# Altium PCB STM32最小系统.PcbDoc (part 3 of 4) (continued)
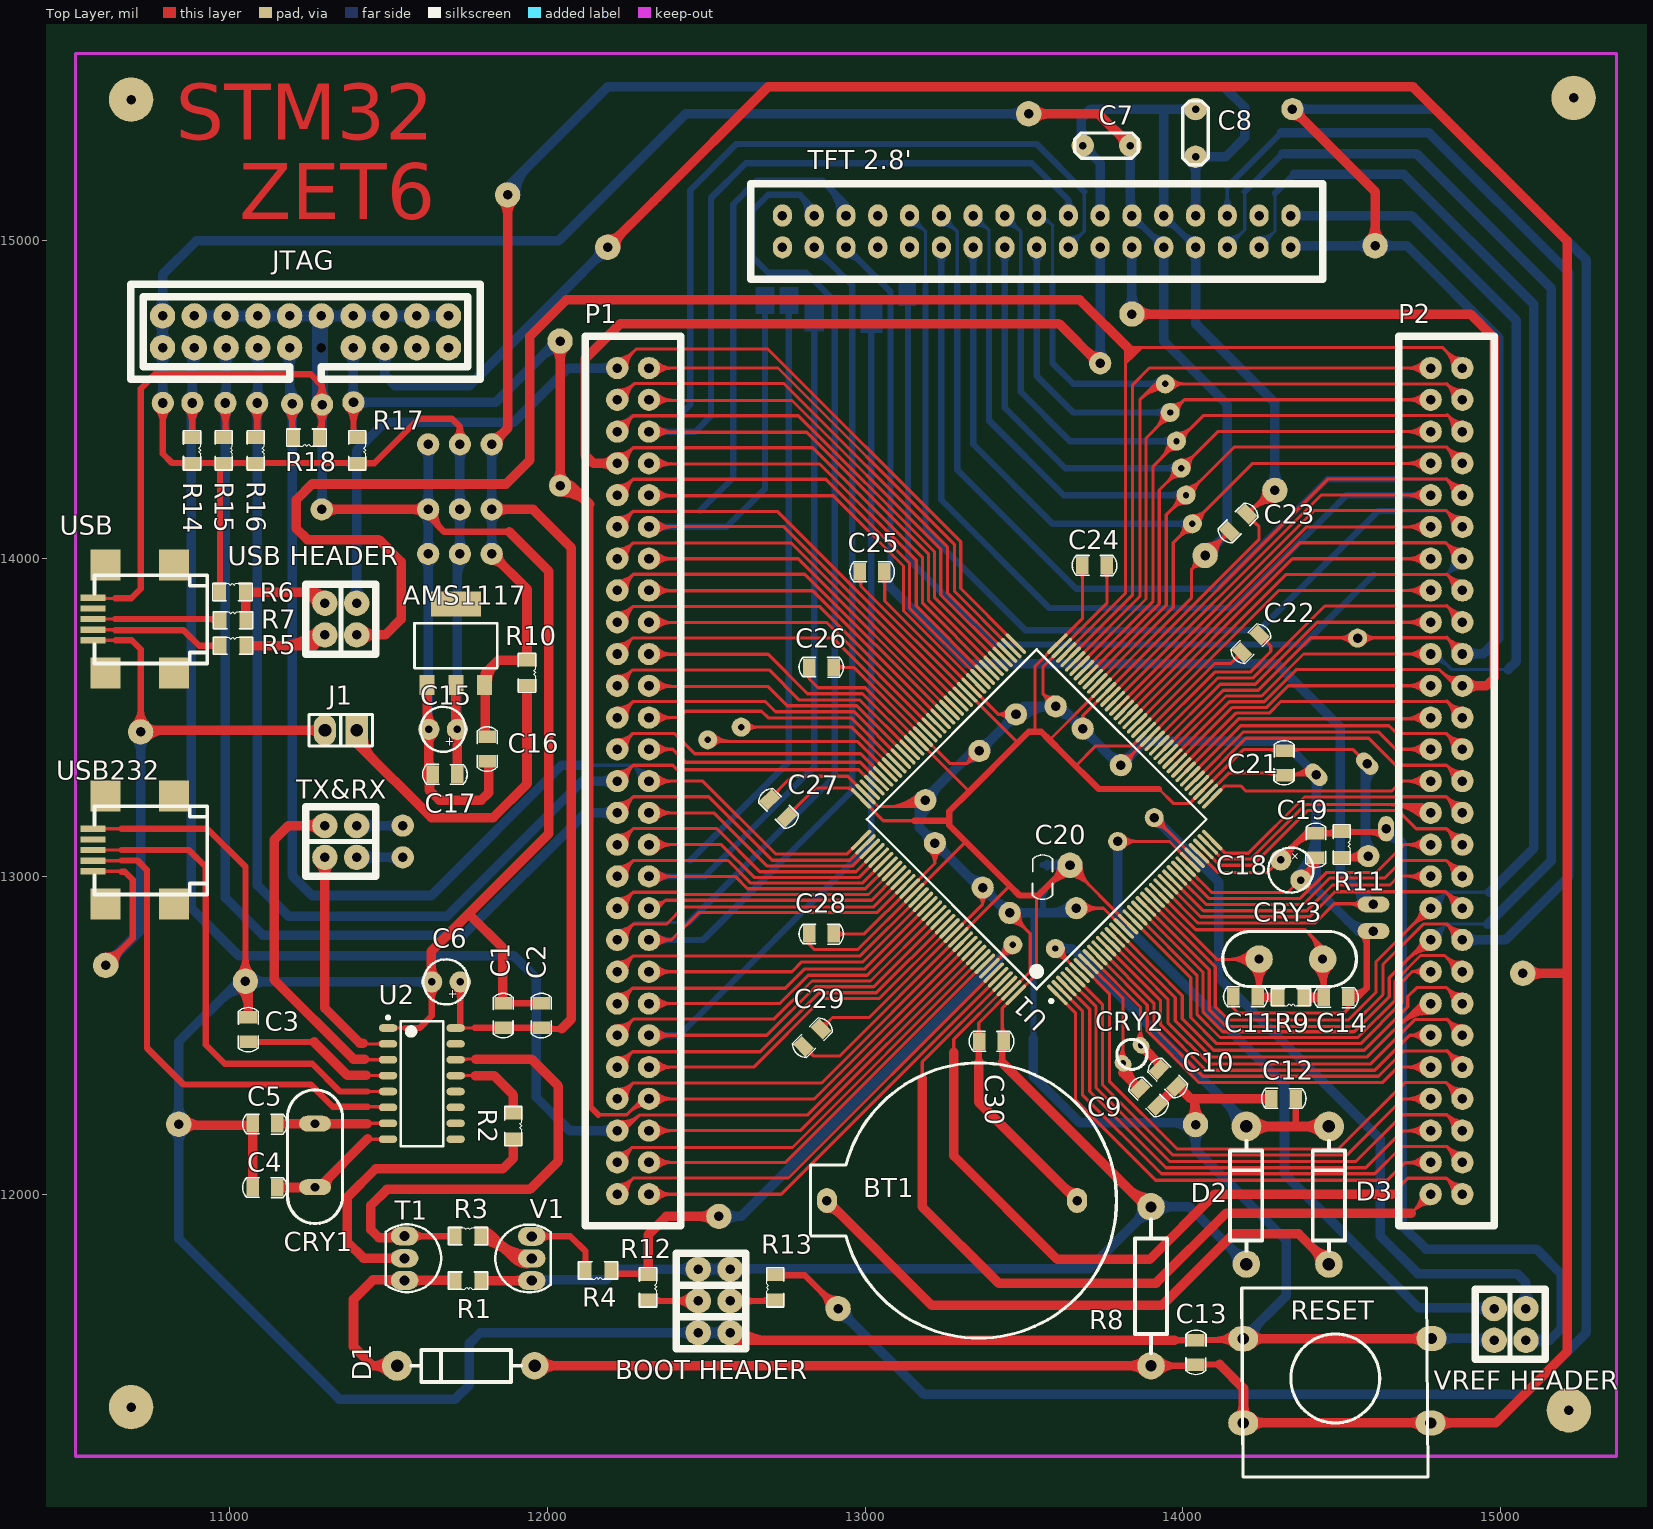
[diagram p0: Top Layer view]
## Nets (pads, with @x,y where several pads share a name; then routed paths per layer and width w, separated by ;. In a path a pad name is that pad's centre, name@x,y a point inside that pad or via, vN(x,y) a via of type N, cw(c..) or ccw(c..) an arc to the next point about the centre after c; other vN are vias at no path point) (continued)
  Bottom Layer w10: 14341,15101 14362,15080 ; P2.36@14798,13700 14847,13651 15024,13651 ; P2.36@14780.62,13690.02 cw(c14784.16,13632.89) 14824.64,13673.36 ccw(c14784.16,13632.89) P2.36@14780.62,13690.02 ; P2.36@14781.24,13680.04 cw(c14785.99,13603.36) 14840.32,13657.68 ccw(c14785.99,13603.36) P2.36@14781.24,13680.04 ; P2.36@14810,13700 ccw(c14838.97,13700) 14818.49,13679.51 cw(c14838.97,13700) P2.36@14810,13700
  Bottom Layer w30: 14362,15080 14720,15080 15050,14750 15050,13677 15024,13651 ; 14376.21,15080 cw(c14376.21,15116.21) 14350.61,15090.61 ccw(c14376.21,15116.21) 14376.21,15080 ; 14376.21,15080 ccw(c14376.21,15043.79) 14350.61,15069.39 cw(c14376.21,15043.79) 14376.21,15080
PB5: P1.5 U1.135 | length 1637.5
  Top Layer w10: P1.5@12320,12200 12796.63,12200 U1.135@13349.3,12752.67 ; 12368.28,12200 cw(c12368.28,12248.28) 12334.14,12214.14 ccw(c12368.28,12248.28) 12368.28,12200 ; 12368.28,12200 ccw(c12368.28,12151.72) 12334.14,12185.86 cw(c12368.28,12151.72) 12368.28,12200 ; 12392.43,12200 cw(c12392.43,12272.43) 12341.21,12221.21 ccw(c12392.43,12272.43) 12392.43,12200 ; 12392.43,12200 ccw(c12392.43,12127.57) 12341.21,12178.79 cw(c12392.43,12127.57) 12392.43,12200
PB6: P1.4 U1.136 | length 1739.2
  Top Layer w10: P1.4@12220,12100 12267,12147 ; U1.136@13363.22,12738.75 12771.47,12147 12267,12147 ; 12251.33,12131.33 cw(c12223.7,12158.97) 12221.25,12119.96 ccw(c12223.7,12158.97) 12251.33,12131.33 ; 12251.33,12131.33 ccw(c12278.97,12103.7) 12239.96,12101.25 cw(c12278.97,12103.7) 12251.33,12131.33 ; 12267,12147 cw(c12225.54,12188.45) 12221.88,12129.94 ccw(c12225.54,12188.45) 12267,12147 ; 12267,12147 ccw(c12308.45,12105.54) 12249.94,12101.88 cw(c12308.45,12105.54) 12267,12147
PB7: P1.3 U1.137 | length 1707.4
  Top Layer w10: P1.3@12320,12100 12750,12100 13374.83,12724.83 U1.137@13377.14,12724.83 ; 12368.28,12100 cw(c12368.28,12148.28) 12334.14,12114.14 ccw(c12368.28,12148.28) 12368.28,12100 ; 12368.28,12100 ccw(c12368.28,12051.72) 12334.14,12085.86 cw(c12368.28,12051.72) 12368.28,12100 ; 12392.43,12100 cw(c12392.43,12172.43) 12341.21,12121.21 ccw(c12392.43,12172.43) 12392.43,12100 ; 12392.43,12100 ccw(c12392.43,12027.57) 12341.21,12078.79 cw(c12392.43,12027.57) 12392.43,12100 ; 13345.21,12695.21 cw(c13350.7,12689.72) 13350.7,12697.48 ccw(c13350.7,12689.72) 13345.21,12695.21
PB8: P1.2 U1.139 | length 1850.5
  Top Layer w10: P1.2@12220,12000 12271,12051 ; U1.139@13404.98,12697 12758.99,12051 12271,12051 ; 12254,12034 cw(c12220.2,12067.79) 12220.06,12020 ccw(c12220.2,12067.79) 12254,12034 ; 12254,12034 ccw(c12287.79,12000.2) 12240,12000.06 cw(c12287.79,12000.2) 12254,12034 ; 12271,12051 cw(c12220.3,12101.69) 12220.09,12030 ccw(c12220.3,12101.69) 12271,12051 ; 12271,12051 ccw(c12321.69,12000.3) 12250,12000.09 cw(c12321.69,12000.3) 12271,12051
PB9: P1.1 U1.140 | length 1761.1
  Top Layer w10: P1.1@12320,12000 12735.82,12000 U1.140@13418.9,12683.08 ; 12368.28,12000 cw(c12368.28,12048.28) 12334.14,12014.14 ccw(c12368.28,12048.28) 12368.28,12000 ; 12368.28,12000 ccw(c12368.28,11951.72) 12334.14,11985.86 cw(c12368.28,11951.72) 12368.28,12000 ; 12392.43,12000 cw(c12392.43,12072.43) 12341.21,12021.21 ccw(c12392.43,12072.43) 12392.43,12000 ; 12392.43,12000 ccw(c12392.43,11927.57) 12341.21,11978.79 cw(c12392.43,11927.57) 12392.43,12000
PB10: P2.54 U1.69 | length 2291.2
  Top Layer w10: U1.69@13644,13688 13842,13886 13842,14547 13895,14600 P2.54@14791,14600 ; 14707.57,14600 cw(c14707.57,14527.57) 14758.79,14578.79 ccw(c14707.57,14527.57) 14707.57,14600 ; 14707.57,14600 ccw(c14707.57,14672.43) 14758.79,14621.21 cw(c14707.57,14672.43) 14707.57,14600 ; 14731.72,14600 cw(c14731.72,14551.72) 14765.86,14585.86 ccw(c14731.72,14551.72) 14731.72,14600 ; 14731.72,14600 ccw(c14731.72,14648.28) 14765.86,14614.14 cw(c14731.72,14648.28) 14731.72,14600
PB11: "USB HEADER.2" P2.53 U1.70 | length 6719.3
  Top Layer w10: U1.70@13633.26,13704.76 13819.75,13891.25 13819.75,14614.75 ; 13819.75,14629.75 13819.75,14614.75 ; 13825,14660 13845,14640 ; 13855,14665 14817,14665 P2.53@14881,14601 ; 13867.5,14662.5 13845,14640 ; P2.53@14884,14598 P2.53@14899,14598 ; 13819.75,14614.75 13845,14640 ; 14827.37,14654.63 cw(c14772.75,14600) 14850,14600 ccw(c14772.75,14600) 14827.37,14654.63 ; 14832.2,14649.8 ccw(c14880,14697.6) 14880,14630 cw(c14880,14697.6) 14832.2,14649.8 ; 14844.44,14637.56 cw(c14806.89,14600) 14860,14600 ccw(c14806.89,14600) 14844.44,14637.56 ; 14849.27,14632.73 ccw(c14880,14663.46) 14880,14620 cw(c14880,14663.46) 14849.27,14632.73
  Top Layer w30: 11400,13760 11490,13760 11540,13810 11540,13990 11470,14060 11245,14060 11210,14095 11210,14185 11260,14235 11870,14235 11945,14310 11945,14700 12060,14815 13675,14815 13835,14655 ; 11460.36,13760 cw(c11460.36,13820.36) 11417.68,13777.68 ccw(c11460.36,13820.36) 11460.36,13760 ; 11460.36,13760 ccw(c11460.36,13699.64) 11417.68,13742.32 cw(c11460.36,13699.64) 11460.36,13760
PB12: "USB HEADER.1" P1.54 U1.73 | length 3877.8
  Top Layer w10: P1.54@12220,14600 12280,14660 12694,14660 13301,14053 13301,13906.18 U1.73@13474.58,13732.6 ; 12254.14,14634.14 cw(c12220,14668.28) 12220,14620 ccw(c12220,14668.28) 12254.14,14634.14 ; 12254.14,14634.14 ccw(c12288.28,14600) 12240,14600 cw(c12288.28,14600) 12254.14,14634.14 ; 12271.21,14651.21 cw(c12220,14702.43) 12220,14630 ccw(c12220,14702.43) 12271.21,14651.21 ; 12271.21,14651.21 ccw(c12322.43,14600) 12250,14600 cw(c12322.43,14600) 12271.21,14651.21
  Bottom Layer w30: 11400,13860 11400,14340 11490,14430 11895,14430 12065,14600 P1.54@12220,14600 ; 11400,13920.36 cw(c11339.64,13920.36) 11382.32,13877.68 ccw(c11339.64,13920.36) 11400,13920.36 ; 11400,13920.36 ccw(c11460.36,13920.36) 11417.68,13877.68 cw(c11460.36,13920.36) 11400,13920.36 ; 12171.72,14600 cw(c12171.72,14551.72) 12205.86,14585.86 ccw(c12171.72,14551.72) 12171.72,14600 ; 12171.72,14600 ccw(c12171.72,14648.28) 12205.86,14614.14 cw(c12171.72,14648.28) 12171.72,14600
PB13: P1.53 U1.74 | length 1970.8
  Top Layer w10: P1.53@12320,14600 12726,14600 13281,14045 13281,13898.34 U1.74@13460.66,13718.68 ; 12368.28,14600 cw(c12368.28,14648.28) 12334.14,14614.14 ccw(c12368.28,14648.28) 12368.28,14600 ; 12368.28,14600 ccw(c12368.28,14551.72) 12334.14,14585.86 cw(c12368.28,14551.72) 12368.28,14600 ; 12392.43,14600 cw(c12392.43,14672.43) 12341.21,14621.21 ccw(c12392.43,14672.43) 12392.43,14600 ; 12392.43,14600 ccw(c12392.43,14527.57) 12341.21,14578.79 cw(c12392.43,14527.57) 12392.43,14600
PB14: P1.52 U1.75 | length 2053.1
  Top Layer w10: P1.52@12220,14500 12222,14500 12273,14551 ; U1.75@13446.74,13704.76 13259,13892.5 13259,14037 12745,14551 12273,14551 ; 12273,14551 cw(c12222.25,14601.75) 12220.66,14529.99 ccw(c12222.25,14601.75) 12273,14551 ; P1.52@12220.44,14520 ccw(c12221.53,14569.36) 12256.45,14534.45 cw(c12221.53,14569.36) P1.52@12220.44,14520 ; P1.52@12240,14500 cw(c12283.46,14500) 12252.73,14530.73 ccw(c12283.46,14500) P1.52@12240,14500 ; P1.52@12250,14500 cw(c12317.6,14500) 12269.8,14547.8 ccw(c12317.6,14500) P1.52@12250,14500
PB15: P1.51 U1.76 | length 1910.9
  Top Layer w10: P1.51@12320,14498 12770,14498 13238,14030 13238,13885.66 U1.76@13432.82,13690.84 ; P1.51@12334.14,14485.86 cw(c12363.46,14456.54) 12363.46,14498 ccw(c12363.46,14456.54) P1.51@12334.14,14485.86 ; P1.51@12334.14,14514.14 ccw(c12373.11,14553.11) 12373.11,14498 cw(c12373.11,14553.11) P1.51@12334.14,14514.14 ; P1.51@12341.21,14478.79 cw(c12387.6,14432.4) 12387.6,14498 ccw(c12387.6,14432.4) P1.51@12341.21,14478.79 ; P1.51@12341.21,14521.21 ccw(c12397.25,14577.25) 12397.25,14498 cw(c12397.25,14577.25) P1.51@12341.21,14521.21
PC0: P2.19 U1.26 | length 1399.1
  Top Layer w10: U1.26@13953.41,12975.38 14055.79,12873 14400,12873 14479,12952 14827,12952 P2.19@14879,12900 ; 14827.5,12951.5 ccw(c14879.41,13003.4) 14879.83,12930 cw(c14879.41,13003.4) 14827.5,12951.5 ; 14829.49,12949.51 cw(c14779.99,12900) 14850,12900 ccw(c14779.99,12900) 14829.49,12949.51 ; 14844.44,12934.56 ccw(c14879.6,12969.73) 14879.89,12920 cw(c14879.6,12969.73) 14844.44,12934.56 ; 14846.56,12932.44 cw(c14814.13,12900) 14860,12900 ccw(c14814.13,12900) 14846.56,12932.44
PC1: P2.22 U1.27 | length 1276.4
  Top Layer w10: U1.27@13967.33,12989.3 14064.63,12892 14390,12892 14471,12973 14652,12973 14680,13001 P2.22@14779,13001 ; 14705.16,13001 cw(c14705.16,12925.16) 14758.79,12978.79 ccw(c14705.16,12925.16) 14705.16,13001 ; 14709.99,13001 ccw(c14709.99,13070.01) 14758.79,13021.21 cw(c14709.99,13070.01) 14709.99,13001 ; 14729.3,13001 cw(c14729.3,12949.3) 14765.86,12985.86 ccw(c14729.3,12949.3) 14729.3,13001 ; 14734.13,13001 ccw(c14734.13,13045.87) 14765.86,13014.14 cw(c14734.13,13045.87) 14734.13,13001
PC2: P2.21 U1.28 | length 1349.4
  Top Layer w10: U1.28@14003,12982 14073,12912 14380,12912 14463,12995 14636,12995 14691,13050 14830,13050 ; P2.21@14880,13000 14830,13050 ; 14830,13050 cw(c14781.69,13001.69) 14850,13000.51 ccw(c14781.69,13001.69) 14830,13050 ; 14830,13050 ccw(c14878.31,13098.31) 14879.49,13030 cw(c14878.31,13098.31) 14830,13050 ; 14846.67,13033.33 cw(c14814.46,13001.12) 14860,13000.34 ccw(c14814.46,13001.12) 14846.67,13033.33 ; 14846.67,13033.33 ccw(c14878.88,13065.54) 14879.66,13020 cw(c14878.88,13065.54) 14846.67,13033.33
PC3: P2.24 U1.29 | length 1251.9
  Top Layer w10: U1.29@14008,13005 14082,12931 14370,12931 14451,13012 14608,13012 14696,13100 P2.24@14780,13100 ; 14707.57,13100 cw(c14707.57,13027.57) 14758.79,13078.79 ccw(c14707.57,13027.57) 14707.57,13100 ; 14707.57,13100 ccw(c14707.57,13172.43) 14758.79,13121.21 cw(c14707.57,13172.43) 14707.57,13100 ; 14731.72,13100 cw(c14731.72,13051.72) 14765.86,13085.86 ccw(c14731.72,13051.72) 14731.72,13100 ; 14731.72,13100 ccw(c14731.72,13148.28) 14765.86,13114.14 cw(c14731.72,13148.28) 14731.72,13100
PC4: P2.31 U1.44 | length 1371.8
  Top Layer w10: U1.44@13994,13341 14167,13514 14272,13514 14309,13551 14832,13551 14883,13500 P2.31@14900,13500 ; 14830.5,13552.5 cw(c14783.11,13505.1) 14850.04,13501.58 ccw(c14783.11,13505.1) 14830.5,13552.5 ; 14833.91,13549.09 ccw(c14880,13595.18) 14880,13530 cw(c14880,13595.18) 14833.91,13549.09 ; 14846.38,13536.62 cw(c14813.27,13503.51) 14860.03,13501.05 ccw(c14813.27,13503.51) 14846.38,13536.62 ; 14850.98,13532.02 ccw(c14880,13561.04) 14880,13520 cw(c14880,13561.04) 14850.98,13532.02
PC5: P2.34 U1.45 | length 1303.1
  Top Layer w10: U1.45@13978,13354 14156,13532 14264,13532 14332,13600 P2.34@14800,13600 ; 14707.57,13600 cw(c14707.57,13527.57) 14758.79,13578.79 ccw(c14707.57,13527.57) 14707.57,13600 ; 14707.57,13600 ccw(c14707.57,13672.43) 14758.79,13621.21 cw(c14707.57,13672.43) 14707.57,13600 ; 14731.72,13600 cw(c14731.72,13551.72) 14765.86,13585.86 ccw(c14731.72,13551.72) 14731.72,13600 ; 14731.72,13600 ccw(c14731.72,13648.28) 14765.86,13614.14 cw(c14731.72,13648.28) 14731.72,13600
PC6: P1.35 U1.96 | length 1332.3
  Top Layer w10: P1.35@12320,13699 12695,13699 12819,13575 12991.89,13575 U1.96@13154.43,13412.45 ; P1.35@12334.14,13685.86 cw(c12365.87,13654.13) 12365.87,13699 ccw(c12365.87,13654.13) P1.35@12334.14,13685.86 ; P1.35@12334.14,13714.14 ccw(c12370.7,13750.7) 12370.7,13699 cw(c12370.7,13750.7) P1.35@12334.14,13714.14 ; P1.35@12341.21,13678.79 cw(c12390.01,13629.99) 12390.01,13699 ccw(c12390.01,13629.99) P1.35@12341.21,13678.79 ; P1.35@12341.21,13721.21 ccw(c12394.84,13774.84) 12394.84,13699 cw(c12394.84,13774.84) P1.35@12341.21,13721.21
PC7: P1.34 U1.97 | length 1399.6
  Top Layer w10: P1.34@12220,13600 12220,13602 12268,13650 ; U1.97@13140.51,13398.53 12984.05,13555 12793,13555 12698,13650 12268,13650 ; 12268,13650 ccw(c12311.93,13606.07) 12249.93,13601.98 cw(c12311.93,13606.07) 12268,13650 ; P1.34@12220,13620 ccw(c12220,13663.46) 12250.73,13632.73 cw(c12220,13663.46) P1.34@12220,13620 ; P1.34@12220,13630 ccw(c12220,13697.6) 12267.8,13649.8 cw(c12220,13697.6) P1.34@12220,13630 ; P1.34@12239.96,13601.32 cw(c12282.67,13604.13) 12252.4,13634.4 ccw(c12282.67,13604.13) P1.34@12239.96,13601.32
PC8: P1.33 U1.98 | length 1274.2
  Top Layer w10: P1.33@12320,13598 12694,13598 12755,13537 12974.21,13537 U1.98@13126.59,13384.62 ; P1.33@12334.14,13585.86 cw(c12363.46,13556.54) 12363.46,13598 ccw(c12363.46,13556.54) P1.33@12334.14,13585.86 ; P1.33@12334.14,13614.14 ccw(c12373.11,13653.11) 12373.11,13598 cw(c12373.11,13653.11) P1.33@12334.14,13614.14 ; P1.33@12341.21,13578.79 cw(c12387.6,13532.4) 12387.6,13598 ccw(c12387.6,13532.4) P1.33@12341.21,13578.79 ; P1.33@12341.21,13621.21 ccw(c12397.25,13677.25) 12397.25,13598 cw(c12397.25,13677.25) P1.33@12341.21,13621.21
PC9: P1.32 U1.99 | length 1365.3
  Top Layer w10: P1.32@12220,13500 12271,13551 ; U1.99@13112.67,13370.7 12965.37,13518 12718,13518 12685,13551 12271,13551 ; 12254,13534 cw(c12220.2,13567.79) 12220.06,13520 ccw(c12220.2,13567.79) 12254,13534 ; 12254,13534 ccw(c12287.79,13500.2) 12240,13500.06 cw(c12287.79,13500.2) 12254,13534 ; 12271,13551 cw(c12220.3,13601.69) 12220.09,13530 ccw(c12220.3,13601.69) 12271,13551 ; 12271,13551 ccw(c12321.69,13500.3) 12250,13500.09 cw(c12321.69,13500.3) 12271,13551
PC10: P1.25 U1.111 | length 1165.9
  Top Layer w10: P1.25@12320,13200 12524,13200 12691,13033 12961.5,13033 U1.111@13015.24,13086.74 ; 12368.28,13200 cw(c12368.28,13248.28) 12334.14,13214.14 ccw(c12368.28,13248.28) 12368.28,13200 ; 12368.28,13200 ccw(c12368.28,13151.72) 12334.14,13185.86 cw(c12368.28,13151.72) 12368.28,13200 ; 12392.43,13200 cw(c12392.43,13272.43) 12341.21,13221.21 ccw(c12392.43,13272.43) 12392.43,13200 ; 12392.43,13200 ccw(c12392.43,13127.57) 12341.21,13178.79 cw(c12392.43,13127.57) 12392.43,13200
PC11: P1.24 U1.112 | length 1287.4
  Top Layer w10: P1.24@12220,13100 12271,13151 ; U1.112@13029.16,13072.82 12971.34,13015 12669,13015 12533,13151 12271,13151 ; 12254,13134 cw(c12220.2,13167.79) 12220.06,13120 ccw(c12220.2,13167.79) 12254,13134 ; 12254,13134 ccw(c12287.79,13100.2) 12240,13100.06 cw(c12287.79,13100.2) 12254,13134 ; 12271,13151 cw(c12220.3,13201.69) 12220.09,13130 ccw(c12220.3,13201.69) 12271,13151 ; 12271,13151 ccw(c12321.69,13100.3) 12250,13100.09 cw(c12321.69,13100.3) 12271,13151
PC12: P1.23 U1.113 | length 1170.6
  Top Layer w10: P1.23@12320,13100 12548,13100 12651,12997 12981.18,12997 U1.113@13043.08,13058.9 ; 12368.28,13100 cw(c12368.28,13148.28) 12334.14,13114.14 ccw(c12368.28,13148.28) 12368.28,13100 ; 12368.28,13100 ccw(c12368.28,13051.72) 12334.14,13085.86 cw(c12368.28,13051.72) 12368.28,13100 ; 12392.43,13100 cw(c12392.43,13172.43) 12341.21,13121.21 ccw(c12392.43,13172.43) 12392.43,13100 ; 12392.43,13100 ccw(c12392.43,13027.57) 12341.21,13078.79 cw(c12392.43,13027.57) 12392.43,13100
PC13: P2.7 U1.7 | length 2078.8
  Top Layer w10: U1.7@13688.94,12710.92 13769,12630.85 13769,12414 ; 13769,12408 13769,12414 ; P2.7@14880,12300 14829,12351 ; 13769,12414 13769,12355 13982,12142 14489,12142 14698,12351 14829,12351 ; 14829,12351 cw(c14778.31,12300.3) 14850,12300.09 ccw(c14778.31,12300.3) 14829,12351 ; 14829,12351 ccw(c14879.7,12401.69) 14879.91,12330 cw(c14879.7,12401.69) 14829,12351 ; 14846,12334 cw(c14812.21,12300.2) 14860,12300.06 ccw(c14812.21,12300.2) 14846,12334 ; 14846,12334 ccw(c14879.8,12367.79) 14879.94,12320 cw(c14879.8,12367.79) 14846,12334
PD2: P1.20 U1.116 | length 1284.7
  Top Layer w10: P1.20@12220,12900 12270,12950 ; U1.116@13084.83,13017.14 13010.69,12943 12422,12943 12415,12950 12270,12950 ; 12253.33,12933.33 cw(c12221.12,12965.54) 12220.34,12920 ccw(c12221.12,12965.54) 12253.33,12933.33 ; 12253.33,12933.33 ccw(c12285.54,12901.12) 12240,12900.34 cw(c12285.54,12901.12) 12253.33,12933.33 ; 12270,12950 cw(c12221.69,12998.31) 12220.51,12930 ccw(c12221.69,12998.31) 12270,12950 ; 12270,12950 ccw(c12318.31,12901.69) 12250,12900.51 cw(c12318.31,12901.69) 12270,12950
PD3: P1.19 U1.117 | length 1029.2
  Top Layer w10: P1.19@12320,12900 12347,12900 12372,12925 ; U1.117@13098.75,13003.22 13020.53,12925 12372,12925 ; 12372,12925 cw(c12354.51,12942.49) 12338.91,12923.29 ccw(c12354.51,12942.49) 12372,12925 ; P1.19@12326.3,12907.76 ccw(c12340.45,12925.18) 12356.31,12909.31 cw(c12340.45,12925.18) P1.19@12326.3,12907.76 ; P1.19@12332.61,12915.53 ccw(c12347.48,12933.84) 12364.16,12917.16 cw(c12347.48,12933.84) P1.19@12332.61,12915.53
PD6: P1.16 U1.122 | length 1410.7
  Top Layer w10: P1.16@12220,12700 12270,12750 ; U1.122@13168.35,12933.63 12984.73,12750 12270,12750 ; 12253.33,12733.33 cw(c12221.12,12765.54) 12220.34,12720 ccw(c12221.12,12765.54) 12253.33,12733.33 ; 12253.33,12733.33 ccw(c12285.54,12701.12) 12240,12700.34 cw(c12285.54,12701.12) 12253.33,12733.33 ; 12270,12750 cw(c12221.69,12798.31) 12220.51,12730 ccw(c12221.69,12798.31) 12270,12750 ; 12270,12750 ccw(c12318.31,12701.69) 12250,12700.51 cw(c12318.31,12701.69) 12270,12750
PD7: P1.15 U1.123 | length 1332.5
  Top Layer w10: P1.15@12320,12700 12770,12700 12801,12731 12993.56,12731 U1.123@13182.27,12919.71 ; 12368.28,12700 cw(c12368.28,12748.28) 12334.14,12714.14 ccw(c12368.28,12748.28) 12368.28,12700 ; 12368.28,12700 ccw(c12368.28,12651.72) 12334.14,12685.86 cw(c12368.28,12651.72) 12368.28,12700 ; 12392.43,12700 cw(c12392.43,12772.43) 12341.21,12721.21 ccw(c12392.43,12772.43) 12392.43,12700 ; 12392.43,12700 ccw(c12392.43,12627.57) 12341.21,12678.79 cw(c12392.43,12627.57) 12392.43,12700
PD11: P1.47 U1.80 | length 1795.1
  Top Layer w10: P1.47@12320,14298 12858,14298 13161,13995 13161,13851.31 U1.80@13377.14,13635.17 ; P1.47@12334.14,14285.86 cw(c12363.46,14256.54) 12363.46,14298 ccw(c12363.46,14256.54) P1.47@12334.14,14285.86 ; P1.47@12334.14,14314.14 ccw(c12373.11,14353.11) 12373.11,14298 cw(c12373.11,14353.11) P1.47@12334.14,14314.14 ; P1.47@12341.21,14278.79 cw(c12387.6,14232.4) 12387.6,14298 ccw(c12387.6,14232.4) P1.47@12341.21,14278.79 ; P1.47@12341.21,14321.21 ccw(c12397.25,14377.25) 12397.25,14298 cw(c12397.25,14377.25) P1.47@12341.21,14321.21
PD12: P1.46 U1.81 | length 1872.8
  Top Layer w10: P1.46@12220,14200 12270,14250 ; U1.81@13363.22,13621.25 13140,13844.47 13140,13986 12876,14250 12270,14250 ; 12253.33,14233.33 cw(c12221.12,14265.54) 12220.34,14220 ccw(c12221.12,14265.54) 12253.33,14233.33 ; 12253.33,14233.33 ccw(c12285.54,14201.12) 12240,14200.34 cw(c12285.54,14201.12) 12253.33,14233.33 ; 12270,14250 cw(c12221.69,14298.31) 12220.51,14230 ccw(c12221.69,14298.31) 12270,14250 ; 12270,14250 ccw(c12318.31,14201.69) 12250,14200.51 cw(c12318.31,14201.69) 12270,14250
PD13: P1.45 U1.82 | length 1736
  Top Layer w10: P1.45@12320,14198 12900,14198 13121,13977 13121,13835.63 U1.82@13349.3,13607.33 ; P1.45@12334.14,14185.86 cw(c12363.46,14156.54) 12363.46,14198 ccw(c12363.46,14156.54) P1.45@12334.14,14185.86 ; P1.45@12334.14,14214.14 ccw(c12373.11,14253.11) 12373.11,14198 cw(c12373.11,14253.11) P1.45@12334.14,14214.14 ; P1.45@12341.21,14178.79 cw(c12387.6,14132.4) 12387.6,14198 ccw(c12387.6,14132.4) P1.45@12341.21,14178.79 ; P1.45@12341.21,14221.21 ccw(c12397.25,14277.25) 12397.25,14198 cw(c12397.25,14277.25) P1.45@12341.21,14221.21
PE0: P2.2 U1.141 | length 3008.9
  Top Layer w10: 13180,12365 13180,12416.34 U1.141@13432.82,12669.16 ; 14719,11940 P2.2@14780,12001 ; 14727.08,11948.08 cw(c14780,11895.16) 14780,11970 ccw(c14780,11895.16) 14727.08,11948.08 ; 14729.49,11950.49 ccw(c14679.99,12000) 14750,12000 cw(c14679.99,12000) 14729.49,11950.49 ; 14744.15,11965.15 cw(c14780,11929.3) 14780,11980 ccw(c14780,11929.3) 14744.15,11965.15 ; 14746.56,11967.56 ccw(c14714.13,12000) 14760,12000 cw(c14714.13,12000) 14746.56,11967.56
  Top Layer w30: 13180,12365 13180,11960 13420,11720 13916,11720 14136,11940 14719,11940
PE1: P2.1 U1.142 | length 2831.6
  Top Layer w10: 13279,12446 13279,12487.5 U1.142@13446.74,12655.24 ; 14658,12000 14708,12050 14830,12050 ; P2.1@14880,12000 14830,12050 ; 14830,12050 cw(c14781.69,12001.69) 14850,12000.51 ccw(c14781.69,12001.69) 14830,12050 ; 14830,12050 ccw(c14878.31,12098.31) 14879.49,12030 cw(c14878.31,12098.31) 14830,12050 ; 14846.67,12033.33 cw(c14814.46,12001.12) 14860,12000.34 ccw(c14814.46,12001.12) 14846.67,12033.33 ; 14846.67,12033.33 ccw(c14878.88,12065.54) 14879.66,12020 cw(c14878.88,12065.54) 14846.67,12033.33
  Top Layer w30: 13279,12446 13279,12121 13605,11795 13896,11795 14101,12000 14658,12000
PE2: P2.4 U1.1 | length 2003.5
  Top Layer w10: U1.1@13605.42,12627.4 13662,12570.82 13662,12297 13915,12044 14643,12044 14698,12099 14704,12099 ; 14709,12099 14704,12099 ; P2.4@14762,12082 P2.4@14779,12099 ; P2.4@14775,12101 14773,12099 14704,12099 ; 14705.16,12099 ccw(c14705.16,12174.84) 14758.79,12121.21 cw(c14705.16,12174.84) 14705.16,12099 ; 14709.99,12099 cw(c14709.99,12029.99) 14758.79,12078.79 ccw(c14709.99,12029.99) 14709.99,12099 ; 14729.3,12099 ccw(c14729.3,12150.7) 14765.86,12114.14 cw(c14729.3,12150.7) 14729.3,12099 ; 14734.13,12099 cw(c14734.13,12054.13) 14765.86,12085.86 ccw(c14734.13,12054.13) 14734.13,12099
PE3: P2.3 U1.2 | length 2074.3
  Top Layer w10: U1.2@13619.34,12641.32 13684,12576.66 13684,12313 13933,12064 14604,12064 14690,12150 14831,12150 P2.3@14879,12102 ; 14830.5,12150.5 cw(c14783.3,12103.29) 14850.02,12101.02 ccw(c14783.3,12103.29) 14830.5,12150.5 ; 14830.5,12150.5 ccw(c14879.99,12199.98) 14880,12130 cw(c14879.99,12199.98) 14830.5,12150.5 ; 14846.78,12134.22 cw(c14814.79,12102.22) 14860.01,12100.68 ccw(c14814.79,12102.22) 14846.78,12134.22 ; 14847.57,12133.43 ccw(c14879.99,12165.85) 14880,12120 cw(c14879.99,12165.85) 14847.57,12133.43
PE4: P2.6 U1.3 | length 1961.5
  Top Layer w10: U1.3@13633.26,12655.24 13707,12581.5 13707,12323 13947,12083 14576,12083 14692,12199 P2.6@14779,12199 ; 14705.16,12199 ccw(c14705.16,12274.84) 14758.79,12221.21 cw(c14705.16,12274.84) 14705.16,12199 ; 14709.99,12199 cw(c14709.99,12129.99) 14758.79,12178.79 ccw(c14709.99,12129.99) 14709.99,12199 ; 14729.3,12199 ccw(c14729.3,12250.7) 14765.86,12214.14 cw(c14729.3,12250.7) 14729.3,12199 ; 14734.13,12199 cw(c14734.13,12154.13) 14765.86,12185.86 ccw(c14734.13,12154.13) 14734.13,12199
PE5: P2.5 U1.4 | length 2063.6
  Top Layer w10: U1.4@13647.18,12669.16 13727,12589.34 13727,12334 13958,12103 14545,12103 14692,12250 14831,12250 P2.5@14880,12201 ; 14830.5,12250.5 cw(c14783.3,12203.29) 14850.02,12201.02 ccw(c14783.3,12203.29) 14830.5,12250.5 ; 14830.5,12250.5 ccw(c14879.99,12299.98) 14880,12230 cw(c14879.99,12299.98) 14830.5,12250.5 ; 14846.78,12234.22 cw(c14814.79,12202.22) 14860.01,12200.68 ccw(c14814.79,12202.22) 14846.78,12234.22 ; 14847.57,12233.43 ccw(c14879.99,12265.85) 14880,12220 cw(c14879.99,12265.85) 14847.57,12233.43
PE6: P2.8 U1.5 | length 1957.2
  Top Layer w10: U1.5@13661.1,12683.08 13747,12597.18 13747,12376 ; 13747,12370 13747,12376 ; P2.8@14780,12300 14693,12300 14516,12123 13969,12123 13747,12345 13747,12376 ; 14707.57,12300 cw(c14707.57,12227.57) 14758.79,12278.79 ccw(c14707.57,12227.57) 14707.57,12300 ; 14707.57,12300 ccw(c14707.57,12372.43) 14758.79,12321.21 cw(c14707.57,12372.43) 14707.57,12300 ; 14731.72,12300 cw(c14731.72,12251.72) 14765.86,12285.86 ccw(c14731.72,12251.72) 14731.72,12300 ; 14731.72,12300 ccw(c14731.72,12348.28) 14765.86,12314.14 cw(c14731.72,12348.28) 14731.72,12300
PF0: P2.10 U1.10 | length 1632.4
  Top Layer w10: U1.10@13752,12731 13888,12595 13888,12514 14051,12351 14628,12351 14677,12400 P2.10@14780,12400 ; 14707.57,12400 cw(c14707.57,12327.57) 14758.79,12378.79 ccw(c14707.57,12327.57) 14707.57,12400 ; 14707.57,12400 ccw(c14707.57,12472.43) 14758.79,12421.21 cw(c14707.57,12472.43) 14707.57,12400 ; 14731.72,12400 cw(c14731.72,12351.72) 14765.86,12385.86 ccw(c14731.72,12351.72) 14731.72,12400 ; 14731.72,12400 ccw(c14731.72,12448.28) 14765.86,12414.14 cw(c14731.72,12448.28) 14731.72,12400
PF1: P2.9 U1.11 | length 1756.1
  Top Layer w10: U1.11@13744.62,12766.59 13909,12601.21 13909,12525 ; 13909.5,12525 13909.5,12524.5 14063,12371 14616,12371 14696,12451 14832,12451 P2.9@14881,12402 ; 14830.5,12452.5 cw(c14783.11,12405.1) 14850.04,12401.58 ccw(c14783.11,12405.1) 14830.5,12452.5 ; 14833.91,12449.09 ccw(c14880,12495.18) 14880,12430 cw(c14880,12495.18) 14833.91,12449.09 ; 14846.38,12436.62 cw(c14813.27,12403.51) 14860.03,12401.05 ccw(c14813.27,12403.51) 14846.38,12436.62 ; 14850.98,12432.02 ccw(c14880,12461.04) 14880,12420 cw(c14880,12461.04) 14850.98,12432.02
PF2: P2.12 U1.12 | length 1608
  Top Layer w10: U1.12@13758.53,12780.51 13863,12676.05 ; 13858,12681 13863,12676 13930,12609 13930,12533 14073,12390 14604,12390 14714,12500 ; P2.12@14780,12500 14714,12500 ; 14714,12500 cw(c14714,12442.41) 14757.4,12480.27 ccw(c14714,12442.41) 14714,12500 ; 14714,12500 ccw(c14714,12557.59) 14757.4,12519.73 cw(c14714,12557.59) 14714,12500 ; 14736,12500 cw(c14736,12461.6) 14764.93,12486.85 ccw(c14736,12461.6) 14736,12500 ; 14736,12500 ccw(c14736,12538.4) 14764.93,12513.15 cw(c14736,12538.4) 14736,12500
PF3: P2.11 U1.13 | length 1755.3
  Top Layer w10: U1.13@13772.45,12794.43 13885,12681.89 ; 13878,12689 13953,12614 13953,12540 14083,12410 14592,12410 14732,12550 14832,12550 P2.11@14879,12503 ; 14831,12551 cw(c14784.84,12504.84) 14850.04,12501.52 ccw(c14784.84,12504.84) 14831,12551 ; 14832.2,12549.8 ccw(c14880,12597.6) 14880,12530 cw(c14880,12597.6) 14832.2,12549.8 ; 14846.92,12535.08 cw(c14815.13,12503.3) 14860.03,12501.02 ccw(c14815.13,12503.3) 14846.92,12535.08 ; 14849.27,12532.73 ccw(c14880,12563.46) 14880,12520 cw(c14880,12563.46) 14849.27,12532.73
PF4: P2.14 U1.14 | length 1923.5
  Top Layer w10: U1.14@13786.37,12808.35 13976,12618.73 13976,12546 14090,12432 14581,12432 14749,12600 P2.14@14780,12600 ; 14675.87,12526.87 cw(c14780,12422.73) P2.14@14780,12570 ; P2.14@14780,12600 ccw(c14780,12525.16) 14727.08,12578.08 cw(c14780,12525.16) P2.14@14780,12600 ; 14692.94,12543.94 cw(c14780,12456.88) 14780,12580 ccw(c14780,12456.88) 14692.94,12543.94 ; 14710.01,12561.01 cw(c14780,12491.02) 14780,12590 ccw(c14780,12491.02) 14710.01,12561.01 ; 14744.15,12595.15 cw(c14780,12559.3) 14780,12610 ccw(c14780,12559.3) 14744.15,12595.15
PF5: P2.13 U1.15 | length 1780.6
  Top Layer w10: U1.15@13800.29,12822.27 13922,12700.56 ; 13916,12707 13998,12625 13998,12552 14097,12453 14571,12453 14654,12536 ; 14661,12543 14654,12536 ; P2.13@14880,12600 14830,12650 ; 14654,12536 14708,12590 14708,12622 14736,12650 14830,12650 ; 14830,12650 cw(c14781.69,12601.69) 14850,12600.51 ccw(c14781.69,12601.69) 14830,12650 ; 14830,12650 ccw(c14878.31,12698.31) 14879.49,12630 cw(c14878.31,12698.31) 14830,12650 ; 14846.67,12633.33 cw(c14814.46,12601.12) 14860,12600.34 ccw(c14814.46,12601.12) 14846.67,12633.33 ; 14846.67,12633.33 ccw(c14878.88,12665.54) 14879.66,12620 cw(c14878.88,12665.54) 14846.67,12633.33
PF6: P2.16 U1.18 | length 1558.2
  Top Layer w10: U1.18@13842.05,12864.03 14025,12681.08 14025,12556 14107,12474 14560,12474 14689.5,12603.5 14689.5,12667.5 14723,12701 ; P2.16@14781,12701 14723,12701 ; 14723,12701 cw(c14723,12663.1) 14754.82,12683.7 ccw(c14723,12663.1) 14723,12701 ; 14723,12701 ccw(c14723,12741.51) 14755.75,12717.66 cw(c14723,12741.51) 14723,12701 ; 14741.39,12701 cw(c14741.39,12675) 14763.21,12689.13 ccw(c14741.39,12675) 14741.39,12701 ; 14742.66,12701 ccw(c14742.66,12727.2) 14763.83,12711.77 cw(c14742.66,12727.2) 14742.66,12701
PF7: P2.15 U1.19 | length 1582.4
  Top Layer w10: U1.19@13862,12871 14045,12688 14045,12565 14117,12493 14551,12493 14668,12610 14668,12671 14748,12751 14824,12751 14875,12700 P2.15@14880,12700 ; 14826.5,12748.5 ccw(c14871.98,12793.98) P2.15@14877.45,12729.89 ; 14832.32,12742.68 cw(c14789.64,12700) P2.15@14850,12700 ; 14841.71,12733.29 ccw(c14874.37,12765.95) P2.15@14878.3,12719.93 ; 14849.39,12725.61 cw(c14823.79,12700) P2.15@14860,12700